# Altium PCB 控制板.PcbDoc (part 7 of 12) (continued)
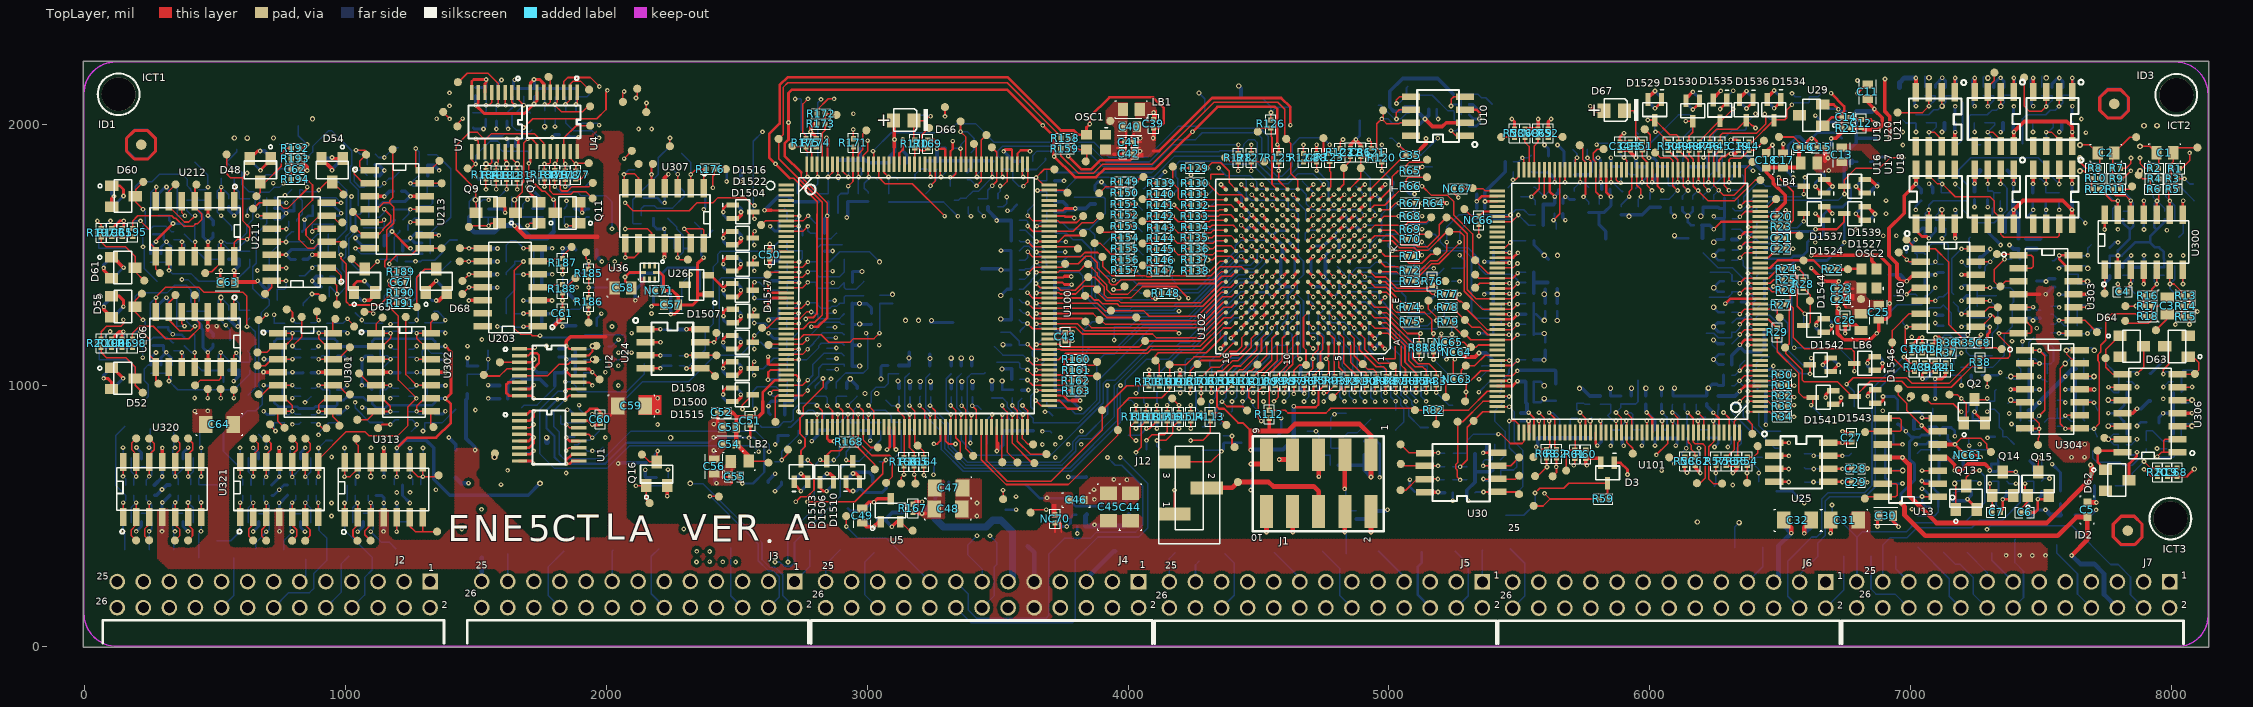
[diagram p0: TopLayer view]
## Nets (pads, with @x,y where several pads share a name; then routed paths per layer and width w, separated by ;. In a path a pad name is that pad's centre, name@x,y a point inside that pad or via, vN(x,y) a via of type N, cw(c..) or ccw(c..) an arc to the next point about the centre after c; other vN are vias at no path point) (continued)
  MidLayer2 w4: 3818.2,1708.8 3929.6,1708.8 3931.1,1710.3 4044.9,1710.3 4068.2,1733.6 v1(4081.9,1733.6)
  MidLayer2 w6: v1(622.8,1815) 651.2,1843.4 885.7,1843.4 936.1,1793 1287.8,1793 1439.9,1640.9 1912.3,1640.9 2039,1767.6 2039,1809.2 2059.8,1830 2513.3,1830 2568.3,1775 2657.8,1775 2716.1,1716.7 2882.8,1716.7 2898.6,1700.9 3124,1700.9 3207.8,1617.1 3524.8,1617.1 3598.6,1690.9 3762.8,1690.9 3781.9,1710 3819,1710
  BottomLayer w6: v1(622.8,1560.9) 589,1527.1 589,1515 R784.1@632.4,1515
NetR787_1: pad.6@461.9,1431.3 R152.1 R786.1 R787.1 U212.13 | length 4114.3
  TopLayer w6: pad.6@461.9,1431.3 467.3,1436.7 487.3,1436.7 522.4,1471.8 v1(522.4,1551.3) ; v1(3941.9,1653.8) 3942.3,1654.2 R152.1@3972.4,1654.2
  MidLayer2 w6: v1(762.4,1775) 770.8,1783.4 832.7,1783.4 836.1,1780 893.2,1780 927.7,1745.5 1050.6,1745.5 1089.8,1706.3 1260.7,1706.3 1399.5,1567.5 1916,1567.5 2077.3,1728.8 2363.4,1728.8 2386.3,1705.9 2616.5,1705.9 2652.4,1670 2862.4,1670 2881.5,1650.9 2889.8,1650.9 2913.6,1627.1 3130.3,1627.1 3186.9,1570.5 3564,1570.5 3586,1592.5 3815.2,1592.5 3876.5,1653.8 v1(3941.9,1653.8)
  BottomLayer w6: R787.1@511.9,1515 511.9,1540.8 524.1,1553 536,1553 543.5,1545.5 581.6,1545.5 621.9,1585.8 621.9,1613.8 644.4,1636.3 644.4,1659.6 670.3,1685.5 670.3,1736.3 674.5,1740.5 706.6,1740.5 725.7,1759.6 747,1759.6 v1(762.4,1775) ; v1(522.4,1551.3) 552.4,1521.3 R786.1@552.4,1515.5
NetR788_1: pad.5@572.8,1795.9 R153.1 R788.1 R789.1 U212.1 | length 4056
  TopLayer w6: U212.1@572.4,1706.3 572.4,1760.1 v1(572.8,1760.5) ; v1(3939,1608.8) 3941.3,1611.1 R153.1@3972.1,1611.1
  MidLayer2 w6: v1(661.9,1441.3) 669.8,1433.4 1450.3,1433.4 1460.3,1443.4 1696.6,1443.4 1746.2,1493 1959.9,1493 2012.4,1545.5 2302,1545.5 2378.6,1622.1 2610.7,1622.1 2617.8,1629.2 2676.5,1629.2 2725.2,1580.5 3125.6,1580.5 3205.2,1500.9 3559.4,1500.9 3588.1,1529.6 3809.9,1529.6 3889.1,1608.8 v1(3939,1608.8)
  MidLayer3 w6: v1(572.8,1760.5) 572.8,1677.6 554.9,1659.7 554.9,1532.5 586.1,1501.3 601.9,1501.3 v1(661.9,1441.3)
  BottomLayer w6: pad.5@572.8,1795.9 v1(572.8,1760.5) 592.4,1740.9 R789.1@592.4,1715.9 R788.1@632.4,1715.9
NetR791_1: pad.4@522.8,1795.5 R132.1 R790.1 R791.1 U212.2 | length 4237.3
  TopLayer w6: U212.2@522.47,1706.3 522.47,1759.77 v1(523.2,1760.5) ; v1(4211.9,1691.5) R132.1@4242.4,1691.5
  MidLayer2 w4: 3607.45,1666.15 3609.9,1668.6 3620.7,1668.6 3629,1660.3 3833.8,1660.3 3852.3,1678.8 4041.1,1678.8 4068.6,1706.3 4197.1,1706.3 v1(4211.9,1691.5)
  MidLayer2 w6: v1(523.2,1760.5) 540.2,1777.5 695.6,1777.5 726.9,1808.8 844.1,1808.8 849.1,1803.8 906.5,1803.8 938.6,1771.7 1109.5,1771.7 1125.3,1755.9 1274.8,1755.9 1436.1,1594.6 1909,1594.6 2068.6,1754.2 2369.8,1754.2 2395.4,1728.6 2419.3,1728.6 2440.7,1750 2642,1750 2697.8,1694.2 2873.8,1694.2 2891.1,1676.9 3115.1,1676.9 3197.8,1594.2 3535.5,1594.2 3607.45,1666.15
  BottomLayer w6: R791.1@511.9,1715.9 507.4,1720.4 507.4,1744.7 v1(523.2,1760.5) ; pad.4@522.8,1795.5 522.8,1760.9 552.4,1731.3 R790.1@552.4,1715.5
NetR794_2: C486.2 pad.1@222.4,1780.9 Q37B.3 R792.1 R794.2 R795.1 | length 440.1
  BottomLayer w6: Q37B.3@193.6,1725.9 193.6,1761.7 212.8,1780.9 257.4,1780.9 287.4,1810.9 372.3,1810.9 393.6,1789.6 393.6,1765.5 406.2,1752.9 406.2,1747.5 432.4,1721.3 C486.2@432.4,1711.2 ; R795.1@391.9,1710.9 472,1710.9 R792.1@472.4,1710.5
NetR795_2: pad.1@348.2,1770.9 R795.2 U212.6 | length 278.3
  TopLayer w6: pad.1@348.2,1770.9 322.73,1745.43 322.73,1686.77 382.4,1627.1 399,1627.1 v1(423.2,1651.3)
  BottomLayer w6: R795.2@391.9,1679.7 391.9,1670.5 411.1,1651.3 v1(423.2,1651.3)
NetR798_1: pad.44@382.4,1515.5 R798.1 U212.10 | length 129.6
  TopLayer w6: U212.10@372.67,1495.5 372.67,1550.37 v1(373.2,1550.9)
  BottomLayer w6: R798.1@341.9,1559.2 364.9,1559.2 382.4,1541.7 pad.44@382.4,1515.5
NetR801_2: C492.1 D60.3 pad.0@224.4,1780.5 R798.2 R800.2 R801.2 | length 343.6
  TopLayer w6: v1(223.6,1675.9) 195.7,1703.8 195.7,1751.8 pad.0@224.4,1780.5
  BottomLayer w6: v1(223.6,1675.9) 232.4,1667.1 232.4,1618.9 222.8,1609.3 R801.2@222.8,1600 252,1600 R800.2@262.8,1610.8 312,1610.8 332.4,1590.4 R798.2@341.9,1590.4
NetR802_2: pad.5@287.8,1431.3 R802.2 U212.8 | length 288.6
  TopLayer w6: v1(214,1631.3) 249.9,1595.4 249.9,1545.8 272.8,1522.9 U212.8@272.8,1495.5 272.8,1446.3 pad.5@287.8,1431.3
  BottomLayer w6: R802.2@182.4,1600 182.4,1623 190.7,1631.3 v1(214,1631.3)
NetR804_1: C495.2 pad.45@54,1525.9 Q36B.3 R802.1 R803.1 R804.1 | length 362.9
  BottomLayer w6: R802.1@182.4,1568.8 63.2,1568.8 54,1559.6 pad.45@54,1525.9 161.9,1525.9 192.8,1495 Q36B.3@192.8,1449.6
NetTP45_1: D66.2 R170.2 TP45.1 | length 204.1
  TopLayer w6: R170.2@3182.4,1941.7 3179,1945.1 3179,2015.4 3221.4,2015.4 3238.5,2032.5 v1(3243.2,2032.5)
  BottomLayer w6: TP45.1@3186.9,2035.9 3239.8,2035.9 v1(3243.2,2032.5)
NetTP151_1: C177.2 C178.2 pad.280@7339,2057.1 R337.1 R338.1 TP151.1 U20.2 | length 414.2
  TopLayer w6: U20.2@7345.5,2125.5 7345.5,2071.1 v3(7346.1,2070.5)
  BottomLayer w6: TP151.1@7269.9,1923.4 7256.1,1923.4 7224.4,1955.1 7224.4,2031.3 7231.1,2038 7294.5,2038 7312.4,2055.9 7329.9,2055.9 7359.5,2085.5 7359.5,2112.2 C177.2@7399.4,2112.2
NetTP152_1: C182.2 C183.2 pad.279@7114.9,2057.5 R341.2 R342.2 TP152.1 U19.2 | length 466
  TopLayer w6: U19.2@7120.5,2124.2 7120.5,2072.3 v3(7121.5,2071.3)
  BottomLayer w6: R342.2@7020.7,2037.9 7069.8,2037.9 7089.4,2057.5 7105.2,2057.5 7134.9,2087.2 C183.2@7134.9,2111.8 7174.4,2111.8 7199.4,2086.8 7199.4,1941.7 TP152.1@7175.7,1918
NetTP1202_1: C384.1 R610.1 R613.1 R614.2 TP1202.1 U203.5 | length 344.1
  TopLayer w6: v1(1681.9,1425.9) 1682.43,1426.43 U203.5@1736.9,1426.43
  BottomLayer w6: R613.1@1616.5,1275 1616.5,1334.1 1647.7,1365.3 R614.2@1647.7,1425.5 1648.1,1425.9 C384.1@1721.9,1425.9 1721.5,1425.5 R610.1@1721.5,1375
NetTP1203_1: C385.1 C386.2 R611.1 R612.1 TP1203.1 U203.7 | length 670.3
  TopLayer w6: v1(1682.4,1526.3) U203.7@1736.9,1526.3
  MidLayer3 w6: v1(1581.9,1226.3) 1655.5,1299.9 1655.5,1499.4 v1(1682.4,1526.3)
  BottomLayer w6: v1(1581.9,1226.3) 1582.7,1225.5 R612.1@1616.9,1225.5 ; C386.2@1616.6,1475.5 1616.6,1539.2 TP1203.1@1632.4,1555 1653.7,1555 1682.8,1525.9 C385.1@1722.8,1525.9 1721.9,1525 R611.1@1721.9,1475.9
NetTP1500_1: D67.2 R51.1 TP1500.1 | length 255.1
  TopLayer w6: D67.2@5904.1,2053.4 5939.8,2053.4 5947.4,2045.8 5947.4,1958 5971.5,1933.9 R51.1@5971.5,1933.8
  BottomLayer w6: v1(5946.5,2046.5) 5946.5,1973.4 TP1500.1@5956.1,1963.8
NetU2_3: pad.55@1707.4,1100 pad.62@1772.8,783.4 pad.67@1097.4,633.8 pad.84@1591.5,1089.2 U2.3 U313.12 | length 1265.7
  TopLayer w6: U313.12@1096.37,705.8 1096.37,651.03 v3(1096.5,650.9) ; pad.84@1591.5,1089.2 pad.84@1591.5,1089.2 U2.3@1666.5,1089.24
  TopLayer w8: U2.3@1666.5,1089.24 1709.44,1089.24 v3(1721.1,1100.9)
  MidLayer2 w6: v3(1096.5,650.9) 1151.9,706.3 1349.4,706.3 1427.7,784.6 1755.2,784.6 v3(1770.9,800.3)
  MidLayer3 w6: v3(1721.1,1100.9) 1770.9,1051.1 v3(1770.9,800.3)
  BottomLayer w22: v3(1770.9,800.3) 1770.9,783.4 pad.62@1772.8,783.4
NetU4_3: pad.116@2178.2,1850 U4.3 U307.5 | length 828.8
  TopLayer w6: U4.3@1836.54,2124.6 1836.54,2165.44 1852.2,2181.1 1938.8,2181.1 v1(1973.2,2146.7) ; U307.5@2173.07,1756.7 2173.07,1844.87 pad.116@2178.2,1850
  MidLayer3 w6: v1(1973.2,2146.7) 1980.7,2154.2 2120.7,2154.2 2194.9,2080 2194.9,1831.7 v1(2172.8,1809.6)
NetU7_3: pad.118@2152.8,2048.4 U7.3 U307.10 | length 1311.4
  TopLayer w6: U7.3@1611.54,2123.8 1611.54,2076.66 v1(1613.6,2074.6) ; v1(2072.4,1600.5) 2158.5,1600.5 2173.07,1585.93 U307.10@2173.07,1545.9 ; pad.118@2152.8,2048.4 2152.8,2082.2 v1(2153.6,2083)
  MidLayer2 w6: v1(1613.6,2074.6) 1614.5,2074.6 1636.6,2096.7 1924.5,2096.7 1948.7,2072.5 2143.1,2072.5 v1(2153.6,2083)
  MidLayer3 w6: v1(2072.4,1600.5) 2092.4,1620.5 2092.4,1739.6 2152.8,1800 2152.8,2082.2 v1(2153.6,2083)
NetU12_7: C123.1 NC43.2 pad.383 R304.2 U12.7 | length 1112.2
  MidLayer2 w14: v1(7169.9,805.5) 7148.6,805.5 7135.7,792.6 7135.7,766.3 7154.5,747.5 7341.9,747.5 7360.3,765.9 7535.3,765.9 7567.4,733.8 7567.4,644.3 7527.4,604.3 7527.4,533 v1(7517.8,523.4)
  BottomLayer w10: R304.2@7071.1,841.7 7099.5,841.7 7111.6,829.6 NC43.2@7111.6,810 7111.6,827.6 7123.2,839.2 7156.1,839.2 7169.9,825.4 v1(7169.9,805.5)
  BottomLayer w12: pad.383@7456.5,493.4 7486.5,523.4 v1(7517.8,523.4) ; C123.1@7575.3,503.4 7575.4,503.5 U12.7@7575.4,547.4
  BottomLayer w18: v1(7517.8,523.4) 7537.8,503.4 C123.1@7575.3,503.4
NetU13_1: NC49.2 pad.379 U13.1 | length 160.7
  TopLayer w6: v1(7044.4,574.2) U13.1@7104.4,574.2
  BottomLayer w6: pad.379@7005.3,571.3 7041.5,571.3 v1(7044.4,574.2)
  BottomLayer w10: v1(7044.4,574.2) 7044.4,550.5 7060.3,534.6 NC49.2@7074.5,534.6
NetU13_2: NC47.2 NC48.1 NC49.1 pad.384 U13.2 | length 311.6
  TopLayer w10: v1(7043.6,634.2) 7053.67,624.13 U13.2@7104.4,624.13
  BottomLayer w6: pad.384@7028.6,500.9 7092.8,500.9 7105.7,513.8 NC49.1@7105.7,534.6
  BottomLayer w10: v1(7043.6,634.2) 7074.5,634.2 NC47.2@7076.2,632.5 7076.2,617.8 7105.7,588.3 NC49.1@7105.7,534.6
NetU13_6: NC41.1 NC42.2 pad.264@6953.6,988 U13.6 | length 324.2
  TopLayer w6: pad.264@6953.6,988 6953.6,962.5 6985.3,930.8 6985.3,904.2 v1(7042.8,846.7)
  TopLayer w12: v1(7042.8,846.7) 7065.63,823.87 U13.6@7104.4,823.87
  BottomLayer w6: NC42.2@7013.6,833.3 7037.3,833.3 7042.8,838.8 v1(7042.8,846.7)
  BottomLayer w14: NC42.2@7013.6,833.3 NC41.1@7013.6,868.8
NetU13_7: NC41.2 pad.356 U13.7 | length 183.9
  TopLayer w6: v1(7044.4,876.7) 7047.3,873.8 U13.7@7104.4,873.8
  BottomLayer w6: v1(7044.4,876.7) 7079.5,876.7 7085.7,882.9 pad.356@7085.7,913
  BottomLayer w10: NC41.2@7013.6,900 7035.3,900 7044.4,890.9 v1(7044.4,876.7)
NetU13_9: pad.263@6826.1,821.7 U13.8 U13.9 | length 253.3
  TopLayer w6: pad.263@6826.1,821.7 6828.8,824.4 6959,824.4 6964.6,830 6964.6,868 6958.8,873.8 U13.8@6893.6,873.8
NetU13_10: NC40.2 pad.357 U13.10 | length 197.1
  TopLayer w6: U13.10@6893.6,773.93 6968.73,773.93 v1(6969.4,774.6)
  BottomLayer w6: pad.357@6893,827.8 6919.2,827.8 6934.8,812.2 NC40.2@6934.8,774.2 6935.2,774.6 v1(6969.4,774.6)
NetU13_12: NC39.2 pad.377 U13.12 | length 112.2
  TopLayer w6: U13.12@6893.6,674.07 6969.57,674.07 v3(6970.1,674.6)
  BottomLayer w6: NC39.2@6934.8,674.2 6969.7,674.2 v3(6970.1,674.6)
NetU13_13: pad.262@6824.9,566.7 U13.13 U13.14 | length 226
  TopLayer w6: pad.262@6824.9,566.7 6832.4,574.2 6943.6,574.2 6949,579.6 6949,618.4 6943.27,624.13 U13.13@6893.6,624.13
NetU24_5: C360.2 pad.95@2416.9,1035.9 R576.2 U24.5 | length 898.6
  TopLayer w6: v1(2306.9,1065.5) 2387.3,1065.5 pad.95@2416.9,1035.9
  BottomLayer w6: C360.2@2279,1075.9 2296.5,1075.9 v1(2306.9,1065.5) 2378.6,1137.2 2378.6,1205.8 2410.3,1237.5 2410.3,1456.1 2427.6,1473.4 2427.6,1504 2438.4,1514.8 2624.6,1514.8 2661.2,1551.4 R576.2@2661.2,1553.8
NetU24_6: C361.2 pad.96@2421.9,1115.9 R563.2 U24.6 | length 1507.8
  TopLayer w6: v1(2307.4,1115.5) 2421.5,1115.5 pad.96@2421.9,1115.9
  MidLayer2 w6: v1(2307.4,1115.5) 2568.3,1115.5 2599.5,1146.7 2654.4,1146.7 2666.5,1158.8 2811.8,1158.8 2849.1,1121.5 3012.8,1121.5 v1(3046.3,1155)
  MidLayer3 w6: v1(3046.3,1155) 3068.6,1177.3 3068.6,1452.5 v2(3046.9,1474.2)
  BottomLayer w6: C361.2@2278.6,1115 2306.9,1115 v1(2307.4,1115.5) ; R563.2@2838.1,1474.2 2856.5,1474.2 2894.8,1512.5 3008.6,1512.5 v2(3046.9,1474.2)
NetU24_7: pad.97@2421.9,1201.7 R573.2 U24.7 | length 582.4
  TopLayer w6: U24.7@2360.3,1166.1 2412.1,1166.1 2421.9,1175.9 pad.97@2421.9,1201.7
  BottomLayer w6: v1(2412.8,1165.5) 2432.8,1185.5 2432.8,1404.7 2441.1,1413 2619.9,1413 2646.1,1439.2 R573.2@2662,1439.2
NetU25_5: C29.2 pad.375 R344.1 U25.5 | length 161.5
  TopLayer w8: U25.5@6684.5,631.1 6772.2,631.1 C29.2@6774.1,629.2
  BottomLayer w6: R344.1@6704.4,630 6767.6,630 pad.375@6773.2,624.4
  other v1: 6738.8,630.3
NetU25_6: C28.2 pad.374 R345.1 U25.6 | length 160.8
  TopLayer w8: U25.6@6684.5,680.9 6774.5,680.9 C28.2@6774.9,681.3
  BottomLayer w6: R345.1@6704.9,680.9 6768.6,680.9 pad.374@6773.2,685.5
  other v1: 6738.8,680.7
NetU25_7: pad.358 R346.1 U25.7 | length 125.9
  TopLayer w8: U25.7@6684.5,730.7 6738.4,730.7 v1(6738.8,730.3)
  BottomLayer w6: R346.1@6705.3,730.5 6764.1,730.5 pad.358@6773,739.4
NetU30_1: NC22.1 NC30.2 pad.234@5499,583.4 U30.1 | length 207.4
  TopLayer w6: v1(5363.2,591.7) 5490.7,591.7 pad.234@5499,583.4
  BottomLayer w6: NC22.1@5330.3,589.2 5332.8,591.7 NC30.2@5397.4,591.7
NetU30_2: NC29.2 pad.235@5499.4,654.2 U30.2 | length 181
  TopLayer w6: v1(5362.1,641.5) 5486.7,641.5 pad.235@5499.4,654.2
  BottomLayer w6: v1(5362.1,641.5) 5367.7,635.9 NC29.2@5398.2,635.9
NetU30_3: NC26.1 NC27.2 pad.240@5499.4,724.6 U30.3 | length 269.1
  TopLayer w6: v1(5361.7,692.1) 5466.9,692.1 pad.240@5499.4,724.6
  BottomLayer w6: v1(5361.7,692.1) 5361.7,709 5368.2,715.5 5396.1,715.5 NC27.2@5396.6,715 5396.6,741.4 5405.3,750.1 NC26.1@5405.3,774.6
NetU30_5: NC18.2 pad.230@5044.9,774.6 U30.5 | length 184.5
  TopLayer w6: pad.230@5044.9,774.6 5077.4,742.1 v1(5189,742.1)
  BottomLayer w6: v1(5189,742.1) 5191.5,739.6 NC18.2@5214.9,739.6
NetU30_6: NC19.2 pad.231@5045.7,699.2 U30.6 | length 173.1
  TopLayer w6: pad.231@5045.7,699.2 5053,691.9 v1(5188.4,691.9)
  BottomLayer w6: v1(5188.4,691.9) 5191.5,688.8 NC19.2@5214.5,688.8
NetU30_7: NC20.2 pad.232@5044.9,598.8 U30.7 | length 187.1
  TopLayer w6: pad.232@5044.9,598.8 5065.2,598.8 5108.3,641.9 v1(5188,641.9)
  BottomLayer w6: v1(5188,641.9) 5190.3,639.6 NC20.2@5213.2,639.6
NetU100_31: C329.1 C330.1 pad.99@3097.4,1314.6 R553.2 U100.31 | length 554.4
  TopLayer w6: U100.31@2689,1178.25 2740.55,1178.25 2756.9,1194.6 2824,1194.6 2852.5,1166.1 2933.6,1166.1 2947.5,1180 3026.5,1180 v1(3047.4,1200.9)
  BottomLayer w6: v1(3047.4,1200.9) 3047.4,1313.5 3048.5,1314.6 pad.99@3097.4,1314.6
NetU100_48: pad.128@2580.9,854.4 R550.2 U100.48 | length 387
  TopLayer w6: v1(2807.8,923.4) 2827.46,903.74 U100.48@2827.46,840.8
  BottomLayer w6: pad.128@2580.9,854.4 2595.3,840 2658.5,840 2680.2,861.7 2709,861.7 2716.5,869.2 2716.5,906.2 2742.4,932.1 2799.1,932.1 v1(2807.8,923.4)
NetU100_85: NC7.1 pad.179@3640.7,702.5 R497.1 U100.85 | length 346.6
  TopLayer w6: v1(3557.1,889) 3555.8,887.7 3555.8,779.9 3633.2,702.5 pad.179@3640.7,702.5
  BottomLayer w6: NC7.1@3478.2,952.1 3519.6,952.1 3536.3,935.4 3536.3,918.6 3557.1,897.8 v1(3557.1,889)
NetU100_86: NC8.2 pad.178@3686.9,737.1 R496.1 U100.86 | length 388.3
  TopLayer w6: v1(3556.5,923.4) 3575.49,904.41 3575.49,786.71 3625.1,737.1 pad.178@3686.9,737.1
  BottomLayer w6: R496.1@3556.9,952.5 3556.9,915.9 3577.8,895 3577.8,881.3 3597.4,861.7 NC8.2@3597.4,857.5
NetU100_138: NC14.1 pad.267@4686.5,824.2 U100.138 | length 2198.9
  TopLayer w6: U100.138@3516.43,1848.5 3516.43,1802.37 v1(3519.2,1799.6)
  MidLayer2 w6: v1(3821.7,824.6) 3933.1,824.6 3964,855.5 4301.9,855.5 4325.3,832.1 4713.6,832.1 v1(4720.9,824.8)
  MidLayer3 w6: v1@3521.5,1798.8 3600.7,1719.6 3646.5,1719.6 3681.1,1685 3681.1,1332.6 3764.4,1249.3 3764.4,1163.4 3798.2,1129.6 3798.2,848.1 v1(3821.7,824.6)
  BottomLayer w6: pad.267@4686.5,824.2 4721.5,824.2 4731.5,814.2 NC14.1@4731.5,764.6
NetU100_161: NC4.2 pad.86@3117.8,1790 U100.161 | length 158.6
  TopLayer w6: U100.161@3063.67,1848.5 3063.67,1817.42 v1(3081.9,1799.2)
  BottomLayer w6: NC4.2@3082.8,1735 3082.8,1798.3 3109.5,1798.3 pad.86@3117.8,1790
NetU100_166: NC3.1 pad.138@2996.5,1978.4 R580.1 U100.166 | length 297.5
  TopLayer w6: v1(2967.4,1799.6) 2965.25,1801.75 U100.166@2965.25,1848.5 2965.25,1886.85 2982.4,1904 2982.4,1964.3 pad.138@2996.5,1978.4
  BottomLayer w6: R580.1@2965.3,1735.9 2965.3,1795.9 2978.2,1808.8 2978.2,1828.4 NC3.1@2973.2,1833.4
NetU100_171: NC5.2 pad.74@2848.6,1909.6 R582.1 U100.171 | length 268.6
  TopLayer w6: v1(2849.9,1799.6) 2866.83,1816.52 U100.171@2866.83,1848.5
  BottomLayer w6: NC5.2@2811.5,1735.4 2848.5,1735.4 2850.3,1737.2 2850.3,1907.9 pad.74@2848.6,1909.6
NetU101_7: pad.359 R30.2 U101.7 | length 244.9
  TopLayer w6: v1(6376.9,1017.8) 6470.5,1017.8 R30.2@6493.2,1040.5
  BottomLayer w6: v1(6376.9,1017.8) 6394.1,1035 pad.359@6489,1035
NetU101_8: pad.368 R387.1 U101.8 | length 444.9
  TopLayer w6: v1(6344.6,1018.4) 6363.6,1037.4 U101.8@6424,1037.4
  BottomLayer w6: R387.1@6314.4,1000 6325.8,1000 6344.2,1018.4 6344.2,1013 6358.6,998.6 6389.9,998.6 6405.9,1014.6 6472.5,1014.6 6477.5,1009.6 6490.5,1009.6 6523.8,976.3 6523.8,899.8 pad.368@6502.4,878.4
NetU101_9: pad.311 R352.1 U101.9 | length 165.9
  TopLayer w6: v1(6376.5,1057.1) U101.9@6424,1057.08
  BottomLayer w6: v1(6376.5,1057.1) 6379.4,1060 R352.1@6408.2,1060 6408.2,1084.2 6434.5,1110.5 pad.311@6458.6,1110.5
NetU101_10: pad.310 R388.1 U101.10 | length 171.1
  TopLayer w6: v1(6345.1,1056.9) 6364.97,1076.77 U101.10@6424,1076.77
  BottomLayer w6: R388.1@6314.4,1040 6328.2,1040 6344.9,1056.7 6344.9,1076.8 pad.310@6363.6,1095.5
NetU101_31: C21.1 C22.1 pad.275@6574,1574.6 R23.1 U101.31 | length 251.8
  TopLayer w6: U101.31@6424,1490.15 6454.35,1490.15 6489,1524.8 6489,1607.6 R23.1@6489.4,1608 ; 6489.6,1585.9 6562.7,1585.9 pad.275@6574,1574.6
NetU101_32: C210.2 pad.303 R358.1 U101.32 | length 210.8
  TopLayer w6: v1(6346.1,1490) 6365.94,1509.84 U101.32@6424,1509.84
  BottomLayer w6: C210.2@6315.2,1480 6336.1,1480 v1(6346.1,1490) 6359,1477.1 6359,1460.5 6369.7,1449.8 R358.1@6409.4,1449.8
NetU101_33: C201.1 R359.1 U101.33 | length 119.1
  TopLayer w6: v1(6377.6,1529.2) 6377.92,1529.52 U101.33@6424,1529.52
  BottomLayer w6: v1(6377.6,1529.2) 6381.3,1525.5 6408.5,1525.5 C201.1@6409.4,1524.6 R359.1@6409.4,1485.7
NetU101_34: C211.2 pad.305 R360.1 U101.34 | length 315
  TopLayer w6: v1(6346.3,1529.4) 6366.11,1549.21 U101.34@6424,1549.21
  BottomLayer w6: C211.2@6316.1,1519.6 6338.6,1519.6 6368.2,1549.2 6392.7,1549.2 R360.1@6409,1565.5 6409,1560.5 6424.9,1544.6 6470.7,1544.6 6484.1,1558 pad.305@6509,1558
NetU101_48: pad.298@6359.9,1764.6 R367.1 U101.48 | length 195.5
  TopLayer w6: U101.48@6285.54,1827.6 6285.54,1766.66 v1(6303.6,1748.6)
  BottomLayer w6: v1(6303.6,1748.6) 6343.9,1748.6 pad.298@6359.9,1764.6 6359.9,1802.9 R367.1@6354.4,1808.4
NetU101_58: NC35.1 pad.251@6021.1,1893 R390.1 U101.58 | length 282.7
  TopLayer w6: pad.251@6021.1,1893 6021.9,1893 6041.9,1873 6078.1,1873 6088.69,1862.41 6088.69,1765.91 v1(6107.1,1747.5)
  BottomLayer w6: NC35.1@6040.7,1715 6074.6,1715 v1(6107.1,1747.5)
NetU101_85: NC69.1 pad.247@5666.1,1953 R52.2 U101.85 | length 225
  TopLayer w6: U101.85@5557.2,1827.6 5557.2,1918.7 5571.9,1933.4 NC69.1@5571.9,1951.9 5665,1951.9 pad.247@5666.1,1953
NetU101_86: NC68.1 pad.246@5430.9,1952.8 R53.2 U101.86 | length 222.1
  TopLayer w6: pad.246@5430.9,1952.8 5521,1952.8 NC68.1@5521.7,1952.1 5521.7,1932.4 5537.51,1916.59 U101.86@5537.51,1827.6
NetU101_119: NC64.2 NC65.1 pad.220@5314.4,1147.1 U101.119 | length 222.7
  TopLayer w6: NC64.2@5243.9,1128.2 5243.9,1166 NC65.1@5243.2,1166.7 5286.7,1166.7 5306.7,1146.7 5334.4,1146.7 5343.21,1155.51 U101.119@5415.2,1155.51
NetU101_121: NC63.1 pad.244@5294.9,1076.3 U101.121 | length 195
  TopLayer w6: NC63.1@5277.6,1025 5277.6,1058.6 5295.5,1076.5 5329.7,1076.5 5369.34,1116.14 U101.121@5415.2,1116.14
NetU101_128: pad.229@5181.5,852.5 R82.2 U101.128 | length 313.6
  TopLayer w6: pad.229@5181.5,852.5 5181.5,899.9 5187.5,905.9 5305.3,905.9 5377.74,978.34 U101.128@5415.2,978.34
NetU101_139: pad.239@5554.4,725.5 R63.2 R386.2 U101.139 | length 212.7
  TopLayer w6: pad.239@5554.4,725.5 5583.7,754.8 5605.5,754.8 5616.26,765.56 5616.26,862.75 v1(5614.6,864.4)
  BottomLayer w6: v1(5614.6,864.4) 5615.3,863.7 R386.2@5615.3,830
NetU101_152: NC33.2 pad.258@5839,885 R382.1 U101.152 | length 174.1
  TopLayer w6: v1(5870.7,864.6) 5872.16,863.14 U101.152@5872.16,819.9
  BottomLayer w6: NC33.2@5810.1,928.8 R382.1@5850.3,928.8 5850.3,896.3 pad.258@5839,885 5859.4,864.6 v1(5870.7,864.6)
NetU101_153: NC34.2 pad.254@5955.3,1020 R381.1 U101.153 | length 277.1
  TopLayer w6: v1(5870.7,896.5) 5891.85,875.35 U101.153@5891.85,819.9
  BottomLayer w6: v1(5870.7,896.5) 5889.9,915.7 R381.1@5889.9,929.2 5946.5,929.2 5955.3,938 pad.254@5955.3,1020
NetU101_154: NC32.1 pad.261@5935.1,739 R375.2 U101.154 | length 216.1
  TopLayer w6: v1(5910.5,864.6) 5911.53,863.57 5911.53,782.97 5935.1,759.4 pad.261@5935.1,739
  BottomLayer w6: NC32.1@5855.3,829.6 5893.6,829.6 5893.6,847.7 v1(5910.5,864.6)
NetU101_155: NC31.1 pad.259@5944.2,879.8 R374.2 U101.155 | length 212.7
  TopLayer w6: v1(5910.1,896.5) 5931.22,875.39 U101.155@5931.22,819.9
  BottomLayer w6: v1(5910.1,896.5) 5927.6,896.5 5934.4,889.7 NC31.1@5934.4,830 R374.2@5974.9,830
NetU101_166: NC62.2 pad.260@6074.9,724.6 R58.1 U101.166 | length 205
  TopLayer w6: pad.260@6074.9,724.6 6173.8,724.6 6173.6,724.8 6173.6,740.9 6160.1,754.4 6160.1,770.4 6147.75,782.75 U101.166@6147.75,819.9
NetU101_167: pad.259@6181.1,625.5 R372.2 R379.1 U101.167 | length 439.5
  TopLayer w6: v1(6145.7,896.1) 6167.44,874.36 U101.167@6167.44,819.9 6167.44,783.26 6174.2,776.5 6203.6,776.5 6213.8,766.3 6213.8,646.7 6192.6,625.5 pad.259@6181.1,625.5
  BottomLayer w6: R379.1@6133.6,929.2 6133.6,908.2 6143.2,898.6 R372.2@6143.2,830
NetU101_168: pad.361 R370.2 R371.2 U101.168 | length 155
  TopLayer w6: v1(6184.6,864.2) 6187.12,861.68 U101.168@6187.12,819.9
  BottomLayer w6: pad.361@6214,879.2 6198,879.2 6184.6,865.8 6184.6,830.6 6184.4,830.4 R370.2@6223.6,830.4
NetU101_171: NC58.2 pad.258@6277.8,623.8 R369.2 U101.171 | length 406.4
  TopLayer w6: v1(6243.4,864.4) 6246.17,861.62 U101.171@6246.17,819.9 6246.17,785.38 6226.5,765.7 6226.5,641.9 6244.6,623.8 pad.258@6277.8,623.8
  BottomLayer w6: R369.2@6263.6,830.4 6263.6,845 6244.2,864.4 v1(6243.4,864.4) 6261.5,882.5 6261.5,905.7 6264,908.2 NC58.2@6264,928.8
NetU102_A13: R104.2 U102.A13 | length 201.2
  TopLayer w6: R104.2@4360.3,1031.7 4403.6,1075 4431.6,1075 4493.06,1136.46 U102.A13@4493.06,1161.5
NetU102_C10: pad.202@4599.9,1185.9 R457.2 U102.C10 | length 134.9
  TopLayer w6: v1(4591.1,1220.3) U102.C10@4611.17,1240.24
  BottomLayer w6: pad.202@4599.9,1185.9 4599.9,1211.5 v1(4591.1,1220.3) 4591.1,1234.6 4612.4,1255.9 R457.2@4612.4,1280
NetU102_C13: pad.201@4455.3,1193.4 R467.1 U102.C13 | length 90.8
  TopLayer w6: v1(4473.2,1220.3) U102.C13@4493.06,1240.24
  BottomLayer w6: pad.201@4455.3,1193.4 4455.3,1201.3 R467.1@4494,1240
NetU300_1: pad.297@7744,1353 pad.332 R282.1 U300.1 | length 172.7
  TopLayer w6: pad.297@7744,1353 7744,1354.2 7744.4,1354.6 U300.1@7744.4,1444.2
  BottomLayer w6: pad.332@7743.6,1349.6 v1(7743.6,1389.6)
  BottomLayer w12: v1(7743.6,1389.6) 7764,1410 R282.1@7764,1422.5
NetU301_2: pad.45@661.9,1127.1 R731.1 R732.1 U301.1 U301.2 | length 300.1
  TopLayer w6: pad.45@661.9,1127.1 697.7,1127.1 721.57,1150.97 766.67,1150.97 796.1,1180.4 796.1,1200.1 v1(796.9,1200.9) U301.1@740.7,1200.9
  BottomLayer w6: R732.1@766.9,1208 789.8,1208 v1(796.9,1200.9) 804,1208 R731.1@827.8,1208
NetU301_6: pad.33@766.1,838 R721.1 R722.1 U301.6 U301.7 | length 288
  TopLayer w6: U301.6@740.7,951.23 767.37,951.23 796.1,922.5 796.1,901.7 795.7,901.3 U301.7@740.7,901.3 740.7,863.4 pad.33@766.1,838
  BottomLayer w6: R722.1@766.9,888.8 783.6,888.8 v1(796.1,901.3) 807.8,889.6 R721.1@827.4,889.6
NetU301_9: pad.38@976.5,845.9 R719.1 R720.1 U301.8 U301.9 | length 278.2
  TopLayer w6: U301.9@951.5,951.23 922.73,951.23 896.5,925 896.5,903.4 898.6,901.3 U301.8@951.5,901.3 951.5,880 976.5,855 pad.38@976.5,845.9
  BottomLayer w6: R720.1@867.8,888.8 885.3,888.8 v1(896.5,900) 907.3,889.2 R719.1@927.8,889.2
NetU301_13: pad.53@960.7,1255.5 R729.1 R730.1 U301.13 U301.14 | length 265
  TopLayer w6: U301.13@951.5,1150.97 926.43,1150.97 897.4,1180 897.4,1199.3 899,1200.9 U301.14@951.5,1200.9 951.5,1246.3 pad.53@960.7,1255.5
  BottomLayer w6: R730.1@867.4,1208.8 889.9,1208.8 v1(897.4,1201.3) 904.5,1208.4 R729.1@927.8,1208.4
NetU302_2: pad.51@1141.9,1260.5 R661.1 R662.2 U302.1 U302.2 | length 279
  TopLayer w6: U302.2@1116.9,1151.37 1142.77,1151.37 1172.4,1181 v1(1172.4,1200.5) 1171.6,1201.3 U302.1@1116.9,1201.3 1116.9,1235.5 pad.51@1141.9,1260.5
  BottomLayer w6: R662.2@1143.2,1208.4 1164.5,1208.4 v1(1172.4,1200.5) 1180.7,1208.8 R661.1@1202.8,1208.8
NetU302_6: pad.39@1044.9,868.8 R653.1 R656.1 U302.6 U302.7 | length 292.2
  TopLayer w6: pad.39@1044.9,868.8 1084.5,868.8 1116.2,900.5 v1(1171.5,900.5) 1171.5,920.9 1140.77,951.63 U302.6@1116.9,951.63
  BottomLayer w6: R656.1@1142.8,889.6 1161.6,889.6 1172,900 R653.1@1203.2,900
NetU302_9: pad.86@1336.9,840.9 R648.2 R652.1 U302.8 U302.9 | length 273
  TopLayer w6: U302.9@1327.7,951.63 1303.53,951.63 1272.4,920.5 v1(1272.4,900.9) 1273.2,901.7 U302.8@1327.7,901.7 1326.9,900.9 1326.9,850.9 pad.86@1336.9,840.9
  BottomLayer w6: R652.1@1243.2,899.6 1271.1,899.6 1281.5,889.2 R648.2@1303.2,889.2
NetU302_13: pad.82@1342.4,1263.8 R651.2 R660.1 U302.13 U302.14 | length 278.6
  TopLayer w6: U302.13@1327.7,1151.37 1302.33,1151.37 1272.4,1181.3 1272.4,1201.3 U302.14@1327.7,1201.3 1327.4,1201.6 1327.4,1242.2 1342.4,1257.2 pad.82@1342.4,1263.8
  BottomLayer w6: R660.1@1243.2,1208.8 1264.5,1208.8 v1(1272.4,1200.9) 1280.8,1209.3 R651.2@1303.2,1209.3
NetU303_2: pad.281@7331.5,1503.8 U303.1 U303.2 | length 237.6
  TopLayer w6: pad.281@7331.5,1503.8 7411.5,1503.8 7416.1,1499.2 7462.8,1499.2 7470.3,1491.7 7470.3,1456.7 7463.27,1449.67 U303.2@7414.4,1449.67
NetU303_3: pad.282@7344.9,1380 R321.1 U303.3 | length 239.9
  TopLayer w6: v1(7360.3,1484.2) 7320.3,1444.2 7320.3,1399.2 7339.5,1380 pad.282@7344.9,1380 7364.63,1399.73 U303.3@7414.4,1399.73
  BottomLayer w6: v1(7360.3,1484.2) 7360.7,1484.6 R321.1@7388.2,1484.6